# KiCad board homebrew_486.kicad_pcb
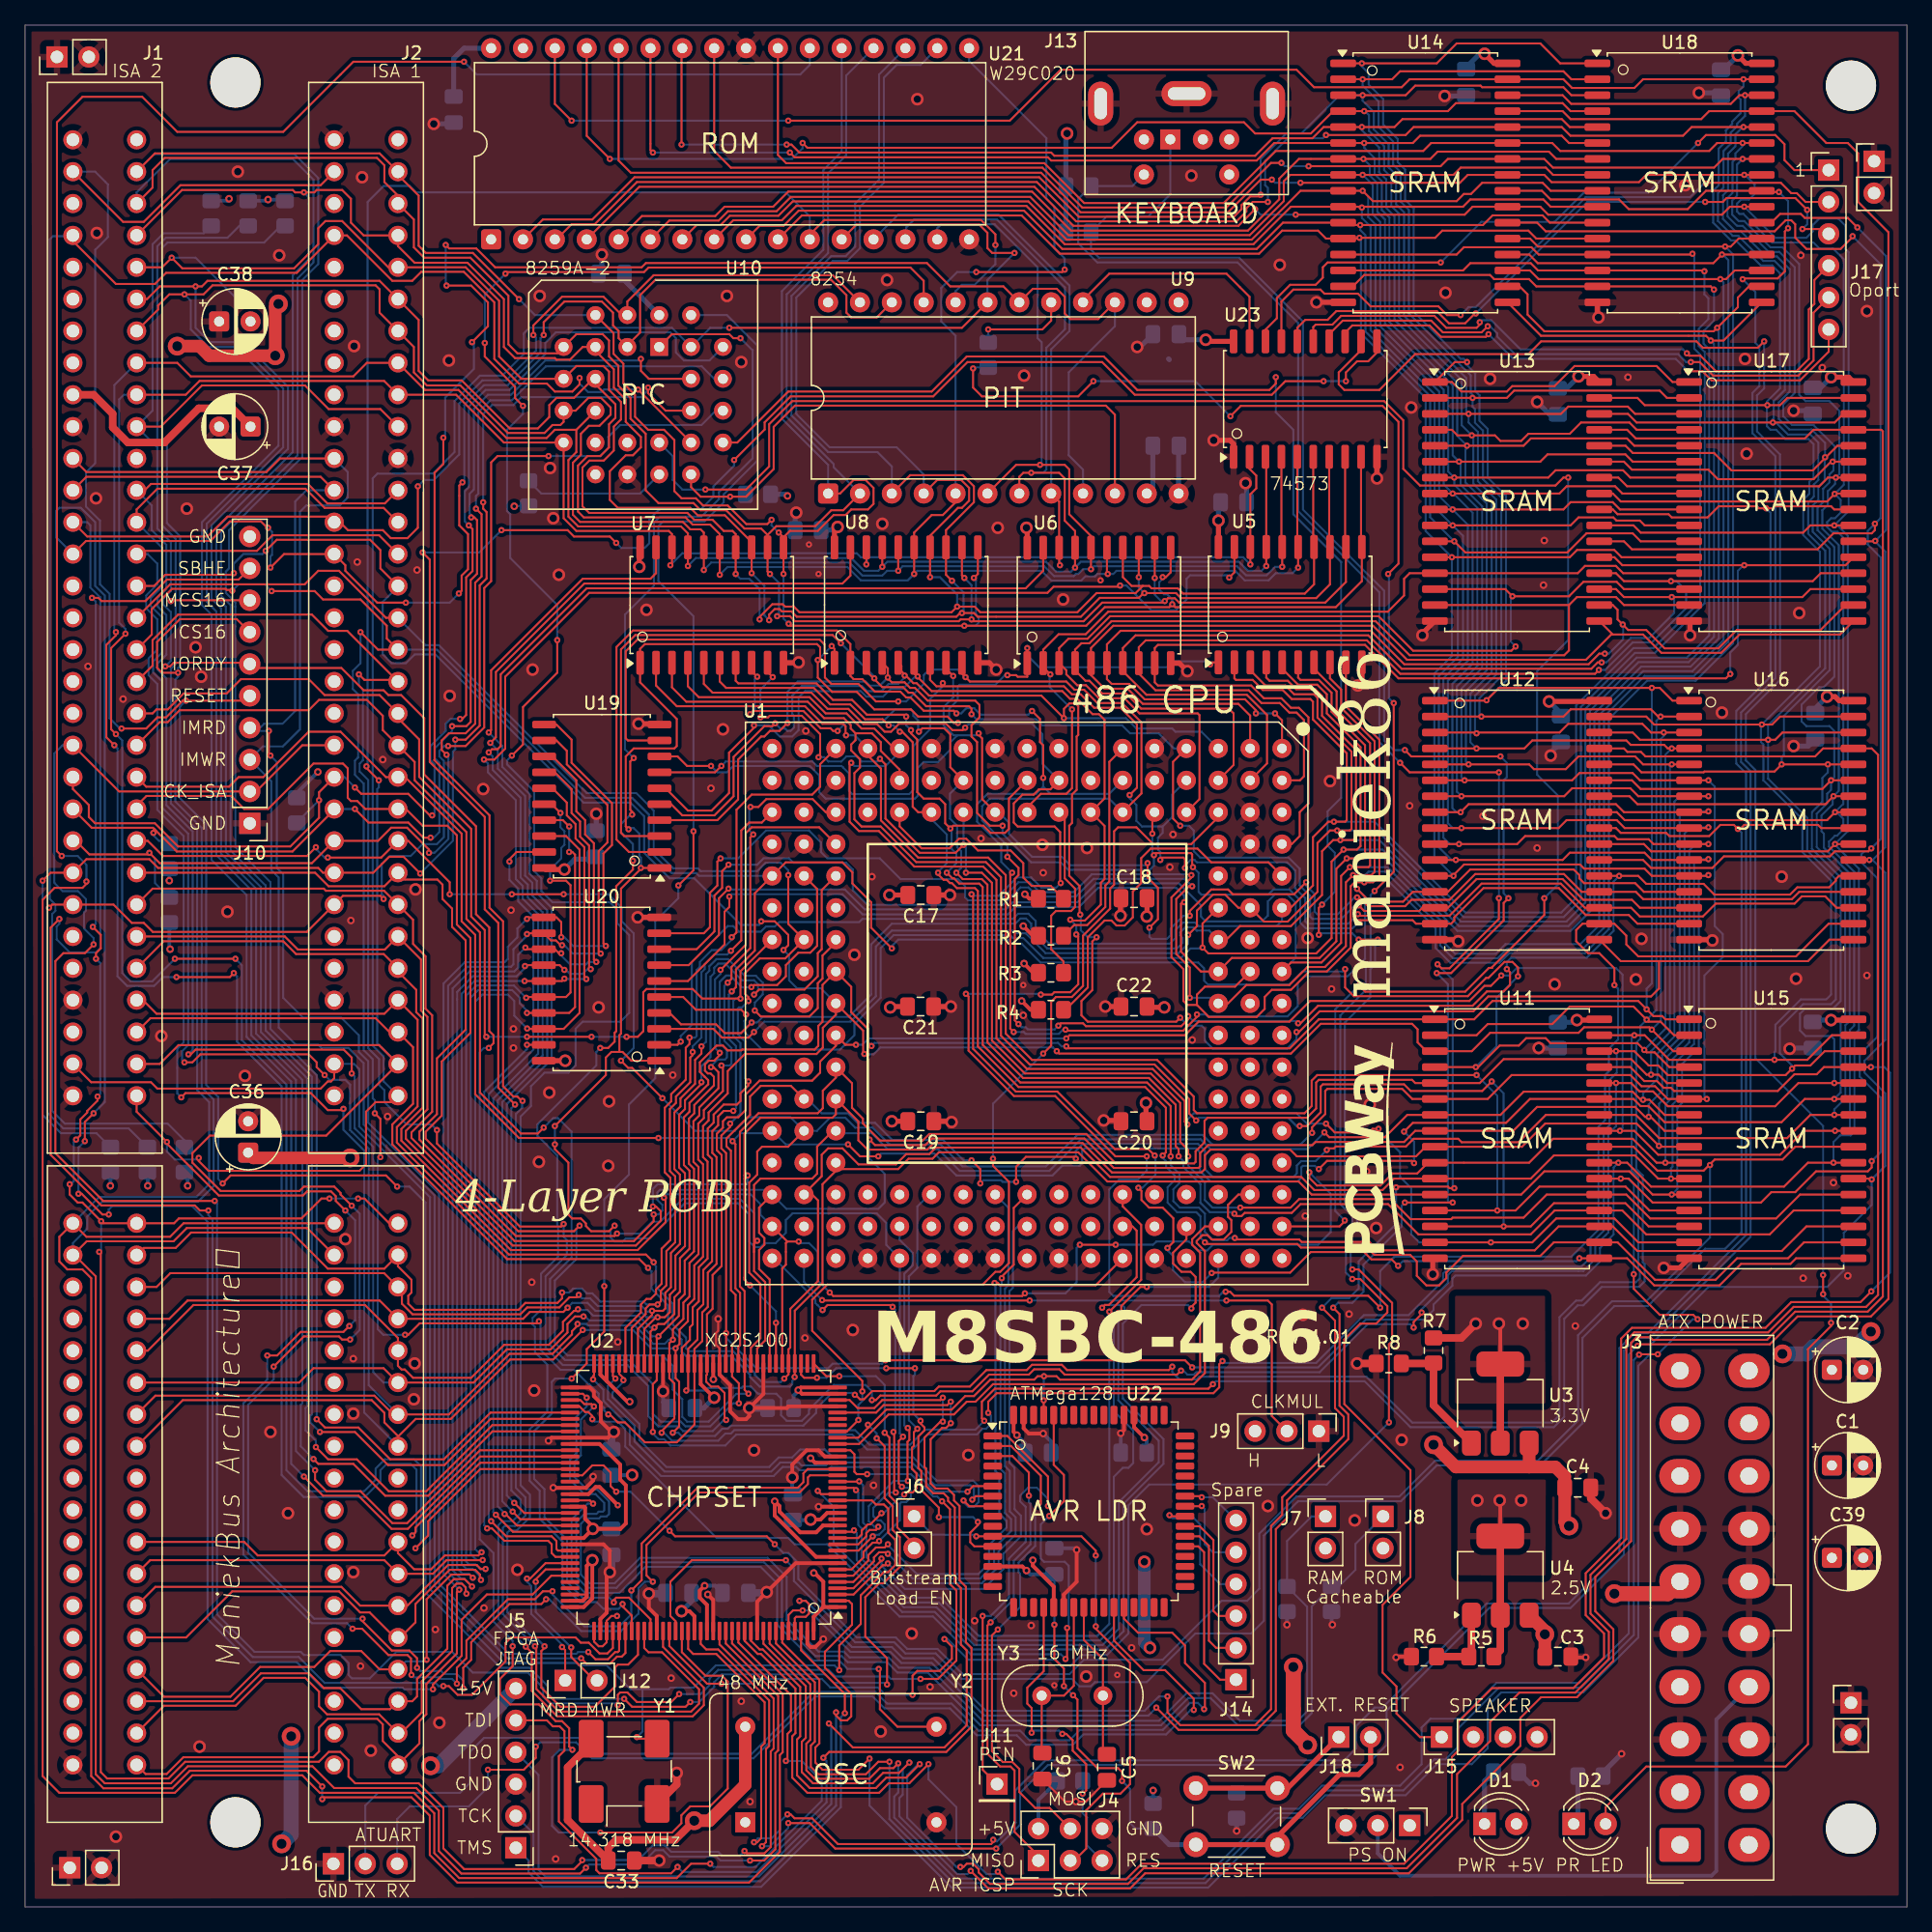
[diagram p0: board, top side]
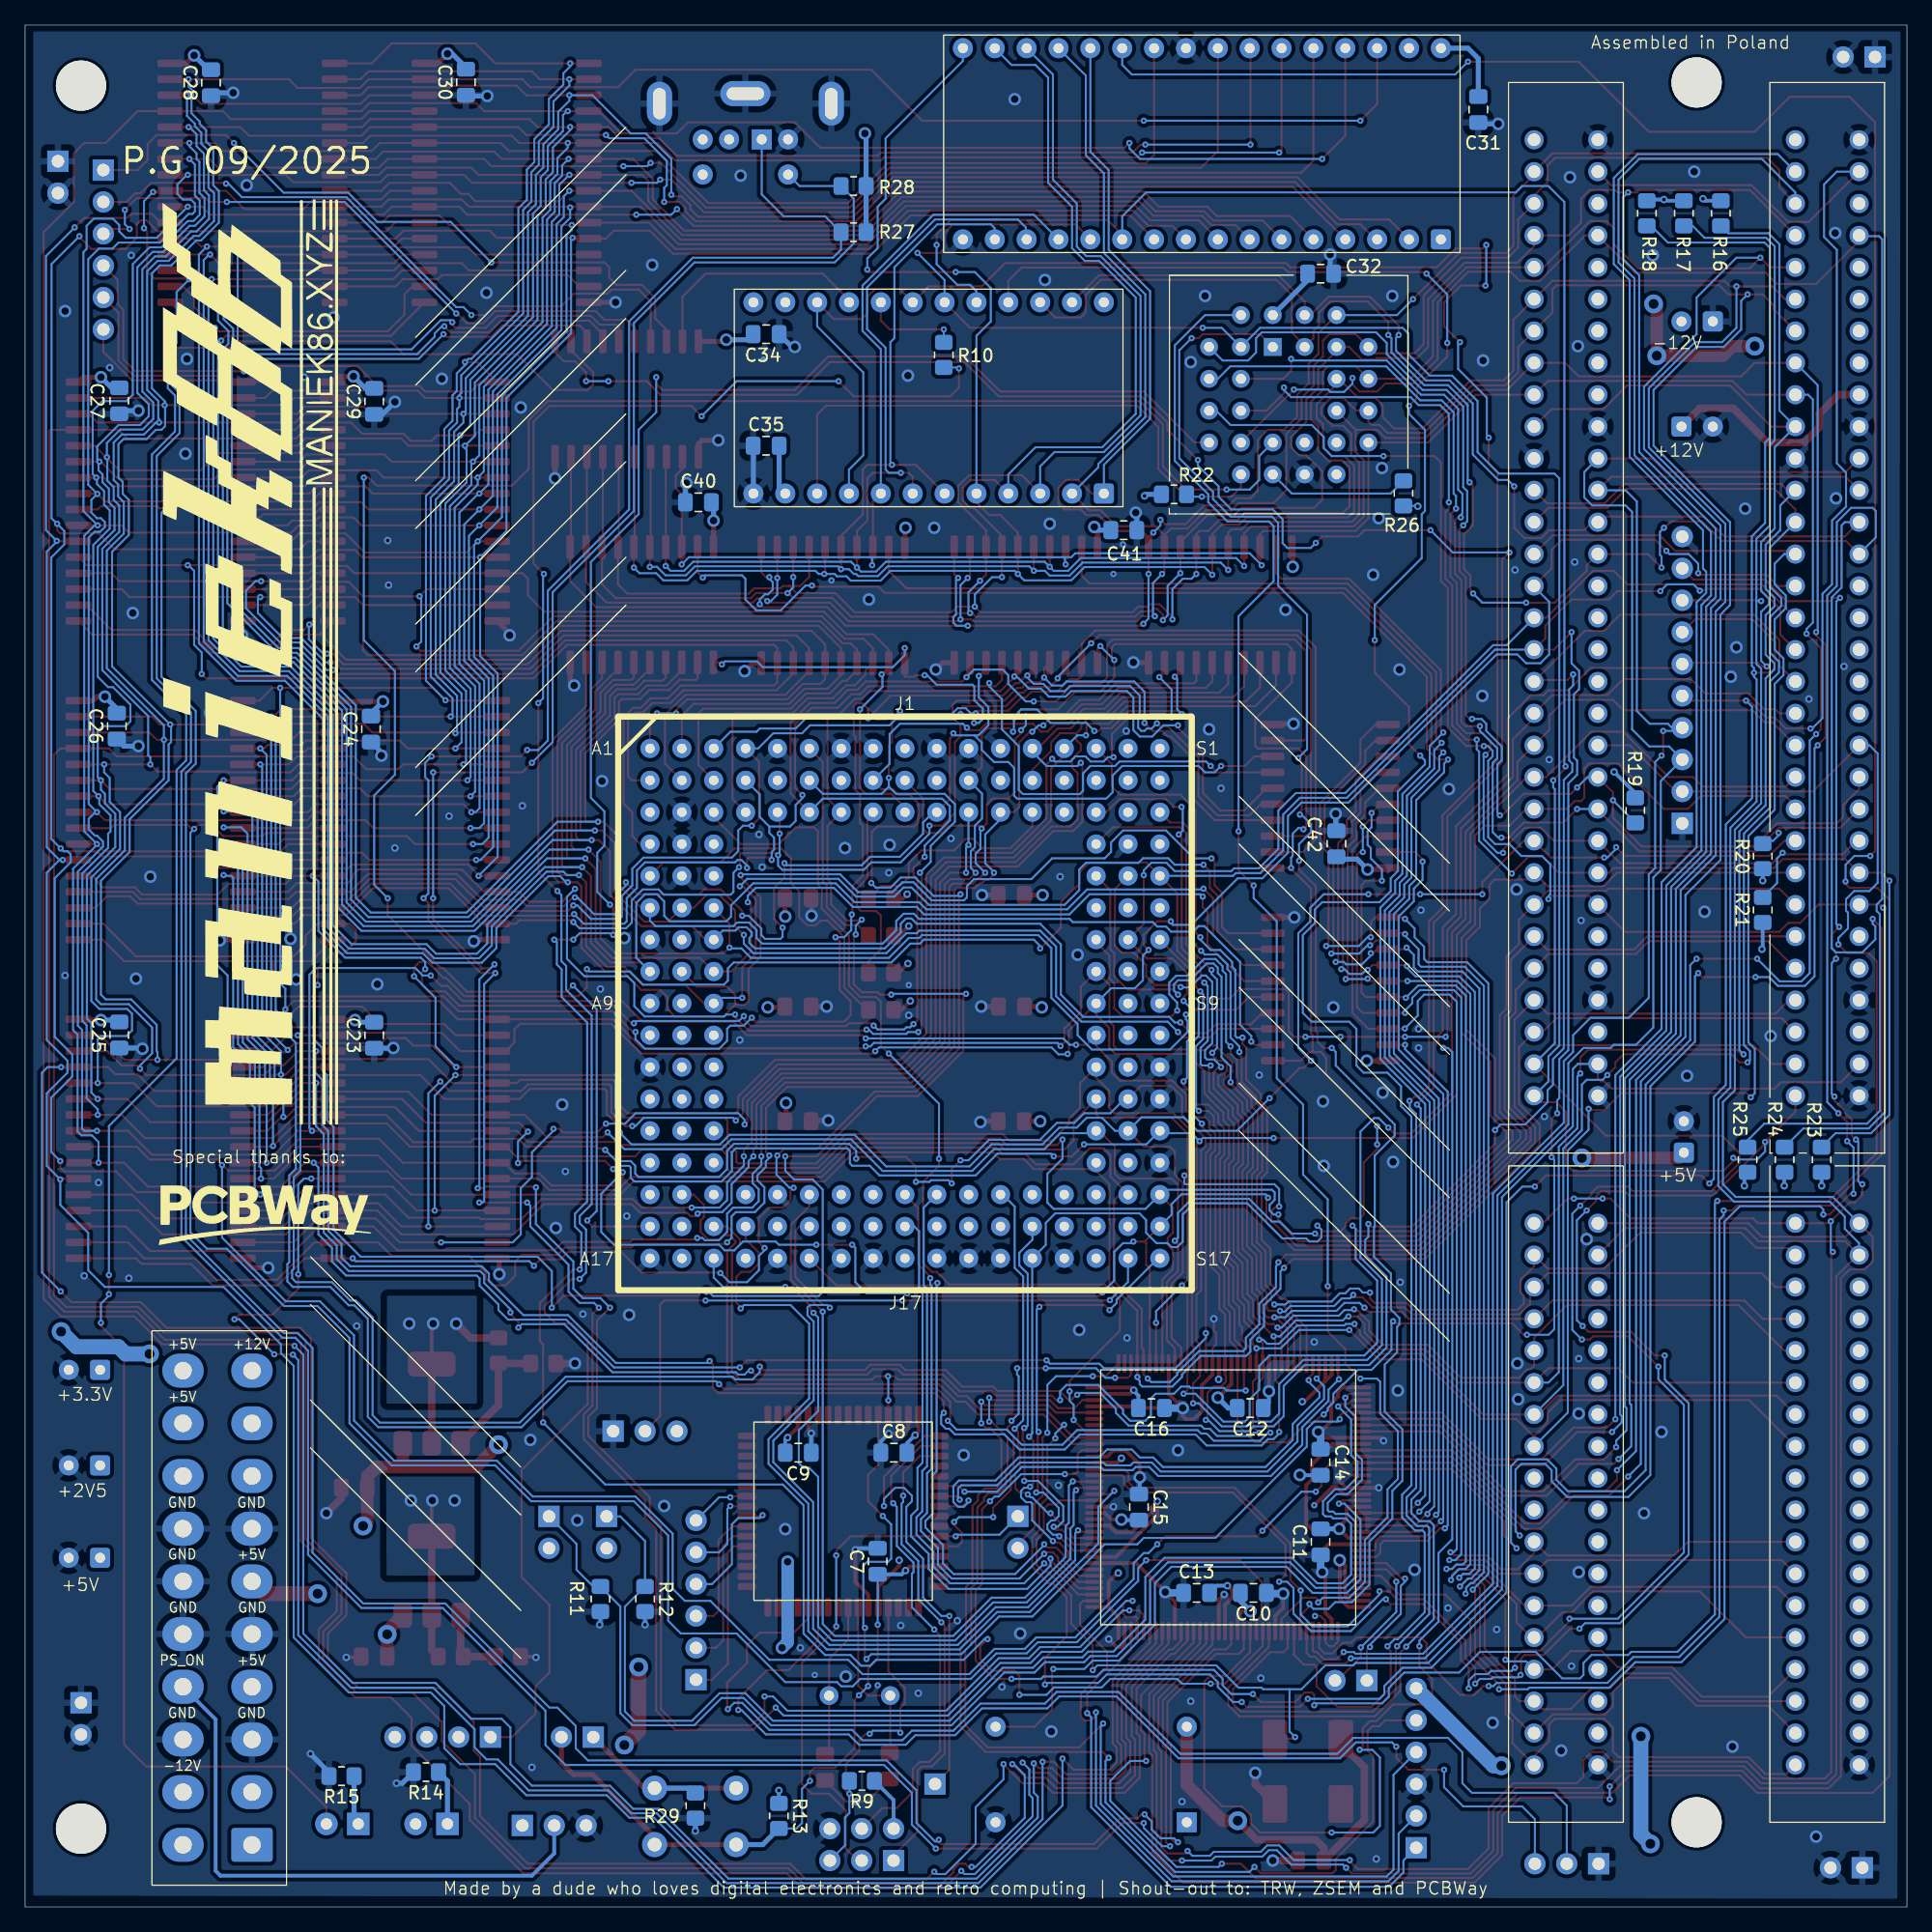
[diagram p1: board, bottom side, seen from below]

Outline 150 x 150 mm; copper layers: Top, In1.Cu, In2.Cu, Bottom. Coordinates in mm from the lower left corner of the outline.
Outline path: 0,150 0,0 150,0 150,150 0,150
Stack: Top 0.035mm / dielectric 0.1mm FR4 er 4.5 / In1.Cu 0.035mm / dielectric 1.24mm FR4 er 4.5 / In2.Cu 0.035mm / dielectric 0.1mm FR4 er 4.5 / Bottom 0.035mm

## Placement (name value [footprint] x y rotation side)
C1  22u  [CP_Radial_D5.0mm_P2.50mm]  144.02 35.19 0 top
C2  22u  [CP_Radial_D5.0mm_P2.50mm]  144.02 42.81 0 top
C3  0.1u  [C_0805_2012Metric_Pad1.18x1.45mm_HandSolder]  122.17 19.95 0 top
C4  0.1u  [C_0805_2012Metric_Pad1.18x1.45mm_HandSolder]  123.76 33.41 0 top
C5  22p  [C_0805_2012Metric_Pad1.18x1.45mm_HandSolder]  86.23 11.13 90 top
C6  22p  [C_0805_2012Metric_Pad1.18x1.45mm_HandSolder]  81.09 11.23 90 top
C7  0.1u  [C_0805_2012Metric_Pad1.18x1.45mm_HandSolder]  82.04 27.55 90 bottom
C8  0.1u  [C_0805_2012Metric_Pad1.18x1.45mm_HandSolder]  80.75 36.21 180 bottom
C9  0.1u  [C_0805_2012Metric_Pad1.18x1.45mm_HandSolder]  88.37 36.21 0 bottom
C10  0.1u  [C_0805_2012Metric_Pad1.18x1.45mm_HandSolder]  52.09 25.03 0 bottom
C11  0.1u  [C_0805_2012Metric_Pad1.18x1.45mm_HandSolder]  46.74 29.1 90 bottom
C12  0.1u  [C_0805_2012Metric_Pad1.18x1.45mm_HandSolder]  52.35 39.76 0 bottom
C13  0.1u  [C_0805_2012Metric_Pad1.18x1.45mm_HandSolder]  56.62 25.03 180 bottom
C14  0.1u  [C_0805_2012Metric_Pad1.18x1.45mm_HandSolder]  46.74 35.45 270 bottom
C15  0.1u  [C_0805_2012Metric_Pad1.18x1.45mm_HandSolder]  61.21 31.87 270 bottom
C16  0.1u  [C_0805_2012Metric_Pad1.18x1.45mm_HandSolder]  60.22 39.76 0 bottom
C17  0.1u  [C_0805_2012Metric_Pad1.18x1.45mm_HandSolder]  71.4 80.66 180 top
C18  0.1u  [C_0805_2012Metric_Pad1.18x1.45mm_HandSolder]  88.39 80.4 0 top
C19  0.1u  [C_0805_2012Metric_Pad1.18x1.45mm_HandSolder]  71.4 62.62 180 top
C20  0.1u  [C_0805_2012Metric_Pad1.18x1.45mm_HandSolder]  88.39 62.62 0 top
C21  0.1u  [C_0805_2012Metric_Pad1.18x1.45mm_HandSolder]  71.37 71.77 180 top
C22  0.1u  [C_0805_2012Metric_Pad1.18x1.45mm_HandSolder]  88.39 71.77 0 top
C23  0.1u  [C_0805_2012Metric_Pad1.18x1.45mm_HandSolder]  122.17 69.48 90 bottom
C24  0.1u  [C_0805_2012Metric_Pad1.18x1.45mm_HandSolder]  122.43 93.89 90 bottom
C25  0.1u  [C_0805_2012Metric_Pad1.18x1.45mm_HandSolder]  142.49 69.5 90 bottom
C26  0.1u  [C_0805_2012Metric_Pad1.18x1.45mm_HandSolder]  142.69 94.12 90 bottom
C27  0.1u  [C_0805_2012Metric_Pad1.18x1.45mm_HandSolder]  142.49 120.05 90 bottom
C28  0.1u  [C_0805_2012Metric_Pad1.18x1.45mm_HandSolder]  135.18 145.41 90 bottom
C29  0.1u  [C_0805_2012Metric_Pad1.18x1.45mm_HandSolder]  122.17 120.01 90 bottom
C30  0.1u  [C_0805_2012Metric_Pad1.18x1.45mm_HandSolder]  114.86 145.45 90 bottom
C31  0.1u  [C_0805_2012Metric_Pad1.18x1.45mm_HandSolder]  34.16 143.27 90 bottom
C32  0.1u  [C_0805_2012Metric_Pad1.18x1.45mm_HandSolder]  46.74 130.19 0 bottom
C33  0.1u  [C_0805_2012Metric_Pad1.18x1.45mm_HandSolder]  47.52 3.7 180 top
C34  0.1u  [C_0805_2012Metric_Pad1.18x1.45mm_HandSolder]  90.93 125.36 0 bottom
C35  0.1u  [C_0805_2012Metric_Pad1.18x1.45mm_HandSolder]  90.93 116.47 180 bottom
C36  10u  [CP_Radial_D5.0mm_P2.50mm]  17.78 60.12 90 top
C37  10u  [CP_Radial_D5.0mm_P2.50mm]  17.97 118 180 top
C38  10u  [CP_Radial_D5.0mm_P2.50mm]  15.47 126.38 0 top
C39  10u  [CP_Radial_D5.0mm_P2.50mm]  144.02 27.83 0 top
C40  0.1u  [C_0805_2012Metric_Pad1.18x1.45mm_HandSolder]  96.33 111.96 180 bottom
C41  0.1u  [C_0805_2012Metric_Pad1.18x1.45mm_HandSolder]  62.42 109.74 0 bottom
C42  0.1u  [C_0805_2012Metric_Pad1.18x1.45mm_HandSolder]  45.47 84.74 270 bottom
D1  PWR_LED  [LED_D4.0mm]  116.33 6.62 0 top
D2  D7_LED  [LED_D4.0mm]  123.44 6.62 0 top
G***  -  [pcbway]  107.33 60.24 90 top
G***#2  -  [pcbway]  131.1 55.37 180 bottom
G***#3  LOGO  [m86_logo]  131.83 99.14 90 bottom
H1  MountingHole  [MountingHole_4mm]  16.76 145.43 0 top
H2  MountingHole  [MountingHole_4mm]  16.76 6.74 0 top
H3  MountingHole  [MountingHole_4mm]  145.54 145.17 0 top
H4  MountingHole  [MountingHole_4mm]  145.54 6.24 0 top
J1  Bus_ISA_16bit  [ISA16]  3.81 140.86 270 top
J2  Bus_ISA_16bit  [ISA16]  24.64 140.86 270 top
J3  ATX-20  [Molex_Mini-Fit_Jr_5566-20A_2x10_P4.20mm_Vertical]  131.91 4.95 90 top
J4  AVR ISP  [PinHeader_2x03_P2.54mm_Vertical]  80.77 3.7 90 top
J5  FPGA JTAG  [PinHeader_1x06_P2.54mm_Vertical]  39.12 4.71 180 top
J6  Enable load  [PinHeader_1x02_P2.54mm_Vertical]  70.87 31.13 0 top
J7  RAM cacheable  [PinHeader_1x02_P2.54mm_Vertical]  103.65 31.13 0 top
J8  ROM cacheable  [PinHeader_1x02_P2.54mm_Vertical]  108.24 31.13 0 top
J9  CLKMUL SET  [PinHeader_1x03_P2.54mm_Vertical]  103.12 37.92 270 top
J10  ISA_DEBUG  [PinHeader_1x10_P2.54mm_Vertical]  17.91 86.37 180 top
J11  PEN  [PinHeader_1x01_P2.54mm_Vertical]  77.47 9.79 0 top
J12  MEM_WR_RD_J  [PinHeader_1x02_P2.54mm_Vertical]  43.05 18.05 90 top
J13  KB  [Connector_Mini-DIN_Female_6Pin_2rows]  91.28 140.89 180 top
J14  ATMegaSpare  [PinHeader_1x06_P2.54mm_Vertical]  96.52 18.11 180 top
J15  PC SPK  [PinHeader_1x04_P2.54mm_Vertical]  112.9 13.54 90 top
J16  ATUART  [PinHeader_1x03_P2.54mm_Vertical]  24.57 3.44 90 top
J17  IOout  [PinHeader_1x06_P2.54mm_Vertical]  143.76 138.44 0 top
J18  Reset ext  [PinHeader_1x02_P2.54mm_Vertical]  104.71 13.54 90 top
J19  Conn_01x02_Pin  [PinHeader_1x02_P2.54mm_Vertical]  2.54 147.46 90 top
J20  Conn_01x02_Pin  [PinHeader_1x02_P2.54mm_Vertical]  147.38 139.15 0 top
J21  Conn_01x02_Pin  [PinHeader_1x02_P2.54mm_Vertical]  145.54 16.27 0 top
J22  Conn_01x02_Pin  [PinHeader_1x02_P2.54mm_Vertical]  3.56 3.12 90 top
R1  4.7K  [R_0805_2012Metric_Pad1.20x1.40mm_HandSolder]  81.77 80.36 0 top
R2  4.7K  [R_0805_2012Metric_Pad1.20x1.40mm_HandSolder]  81.77 77.41 0 top
R3  4.7K  [R_0805_2012Metric_Pad1.20x1.40mm_HandSolder]  81.77 74.46 0 top
R4  4.7K  [R_0805_2012Metric_Pad1.20x1.40mm_HandSolder]  81.77 71.51 0 top
R5  120  [R_0805_2012Metric_Pad1.20x1.40mm_HandSolder]  116.08 19.95 180 top
R6  120  [R_0805_2012Metric_Pad1.20x1.40mm_HandSolder]  111.51 19.95 0 top
R7  120  [R_0805_2012Metric_Pad1.20x1.40mm_HandSolder]  112.27 44.35 270 top
R8  200  [R_0805_2012Metric_Pad1.20x1.40mm_HandSolder]  108.7 43.32 0 top
R9  10K  [R_0805_2012Metric_Pad1.20x1.40mm_HandSolder]  83.3 10.05 0 bottom
R10  33  [R_0805_2012Metric_Pad1.20x1.40mm_HandSolder]  76.77 123.71 270 bottom
R11  10K  [R_0805_2012Metric_Pad1.20x1.40mm_HandSolder]  104.14 24.54 270 bottom
R12  10K  [R_0805_2012Metric_Pad1.20x1.40mm_HandSolder]  100.58 24.54 270 bottom
R13  10K  [R_0805_2012Metric_Pad1.20x1.40mm_HandSolder]  89.92 7.25 270 bottom
R14  1K  [R_0805_2012Metric_Pad1.20x1.40mm_HandSolder]  118.05 10.74 0 bottom
R15  1K  [R_0805_2012Metric_Pad1.20x1.40mm_HandSolder]  124.78 10.43 0 bottom
R16  1K  [R_0805_2012Metric_Pad1.20x1.40mm_HandSolder]  14.83 135 270 bottom
R17  300  [R_0805_2012Metric_Pad1.20x1.40mm_HandSolder]  17.78 135 270 bottom
R18  300  [R_0805_2012Metric_Pad1.20x1.40mm_HandSolder]  20.73 135 270 bottom
R19  1K  [R_0805_2012Metric_Pad1.20x1.40mm_HandSolder]  21.65 87.41 270 bottom
R20  1K  [R_0805_2012Metric_Pad1.20x1.40mm_HandSolder]  11.49 83.75 90 bottom
R21  1K  [R_0805_2012Metric_Pad1.20x1.40mm_HandSolder]  11.49 79.47 90 bottom
R22  1K  [R_0805_2012Metric_Pad1.20x1.40mm_HandSolder]  58.42 112.6 0 bottom
R23  1K  [R_0805_2012Metric_Pad1.20x1.40mm_HandSolder]  6.8 59.56 270 bottom
R24  1K  [R_0805_2012Metric_Pad1.20x1.40mm_HandSolder]  9.75 59.56 270 bottom
R25  1K  [R_0805_2012Metric_Pad1.20x1.40mm_HandSolder]  12.7 59.56 270 bottom
R26  100  [R_0805_2012Metric_Pad1.20x1.40mm_HandSolder]  40.13 112.68 270 bottom
R27  10K  [R_0805_2012Metric_Pad1.20x1.40mm_HandSolder]  83.96 133.49 180 bottom
R28  10K  [R_0805_2012Metric_Pad1.20x1.40mm_HandSolder]  83.96 137.17 0 bottom
R29  10  [R_0805_2012Metric_Pad1.20x1.40mm_HandSolder]  96.57 8.08 270 bottom
SW1  SW_SPDT  [PinHeader_1x03_P2.54mm_Vertical]  110.36 6.49 270 top
SW2  Reset btn  [SW_PUSH_6mm]  93.32 9.47 0 top
U1  -  [486Socket]  57.01 94.88 0 top
U2  XC2S100TQ144  [TQFP-144_20x20mm_P0.5mm]  54.1 32.65 180 top
U3  AMS1117  [SOT-223-3_TabPin2]  117.59 40.12 90 top
U4  AMS1117  [SOT-223-3_TabPin2]  117.59 26.4 90 top
U5  74LS245  [SOP-20_7.5x12.8mm_P1.27mm]  100.84 103.8 90 top
U6  74LS245  [SOP-20_7.5x12.8mm_P1.27mm]  85.6 103.74 90 top
U7  74LS245  [SOP-20_7.5x12.8mm_P1.27mm]  54.74 103.77 90 top
U8  74LS245  [SOP-20_7.5x12.8mm_P1.27mm]  70.23 103.77 90 top
U9  8254  [DIP-24_W15.24mm]  64.01 112.66 90 top
U10  8259A-2  [PLCC-28_THT-Socket]  50.55 124.35 0 top
U11  HM628512  [SOP-32_11.305x20.495mm_P1.27mm]  118.93 61.23 0 top
U12  HM628512  [SOP-32_11.305x20.495mm_P1.27mm]  118.93 86.63 0 top
U13  HM628512  [SOP-32_11.305x20.495mm_P1.27mm]  118.93 112.03 0 top
U14  HM628512  [SOP-32_11.305x20.495mm_P1.27mm]  111.61 137.43 0 top
U15  HM628512  [SOP-32_11.305x20.495mm_P1.27mm]  139.19 61.23 0 top
U16  HM628512  [SOP-32_11.305x20.495mm_P1.27mm]  139.19 86.63 0 top
U17  HM628512  [SOP-32_11.305x20.495mm_P1.27mm]  139.19 112.03 0 top
U18  HM628512  [SOP-32_11.305x20.495mm_P1.27mm]  131.88 137.43 0 top
U19  74LS245  [SOP-20_7.5x12.8mm_P1.27mm]  45.97 88.53 180 top
U20  74LS245  [SOP-20_7.5x12.8mm_P1.27mm]  45.95 73.17 180 top
U21  W29C020  [DIP-32_W15.24mm]  37.15 132.92 90 top
U22  ATmega128L-8A  [TQFP-64_14x14mm_P0.8mm]  84.79 31.54 0 top
U23  74LS573  [SOP-20_7.5x12.8mm_P1.27mm]  102.04 120.19 90 top
Y1  TXC-7C  [Oscillator_SMD_SeikoEpson_SG8002CA-4Pin_7.0x5.0mm_HandSoldering]  47.75 10.81 0 top
Y2  GTXO-14T  [Oscillator_DIP-14]  57.4 6.74 0 top
Y3  16MHz  [Crystal_HC49-4H_Vertical]  85.92 16.84 180 top

## Library data of the parts
C1 C2 C36-C39 = -: Description: Polarized capacitor; ki_fp_filters: CP_*
C3-C35 C40-C42 = -: Description: Unpolarized capacitor; ki_fp_filters: C_*
D1 D2 = -: Description: Light emitting diode; Sim.Pins: 1=K 2=A; ki_fp_filters: LED* LED_SMD:* LED_THT:*
H1-H4 = -: Description: Mounting Hole without connection; ki_fp_filters: MountingHole*
J1 J2 = -: Datasheet: https://en.wikipedia.org/wiki/Industry_Standard_Architecture; Description: 16-bit ISA-AT bus connector
J3 = -: Datasheet: https://web.aub.edu.lb/pub/docs/atx_201.pdf#page=20; Description: ATX Power supply 20pins; ki_fp_filters: *Mini?Fit*2x10*Vertical* *Mini?Fit*2x10*Horizontal*
J4 = -: Description: Generic connector, double row, 02x03, odd/even pin numbering scheme (row 1 odd numbers, row 2 even numbers), script generated (kicad-library-utils/schlib/autogen/connector/); ki_fp_filters: Connector*:*_2x??_*
J5 J14 J17 = -: Description: Generic connector, single row, 01x06, script generated; ki_fp_filters: Connector*:*_1x??_*
J6-J8 J12 J18-J22 = -: Description: Generic connector, single row, 01x02, script generated; ki_fp_filters: Connector*:*_1x??_*
J9 J16 = -: Description: Generic connector, single row, 01x03, script generated; ki_fp_filters: Connector*:*_1x??_*
J10 = -: Description: Generic connector, single row, 01x10, script generated; ki_fp_filters: Connector*:*_1x??_*
J11 = -: Description: Generic connector, single row, 01x01, script generated; ki_fp_filters: Connector*:*_1x??_*
J13 = -: Datasheet: http://service.powerdynamics.com/ec/Catalog17/Section%2011.pdf; Description: 6-pin Mini-DIN connector; ki_fp_filters: MINI?DIN*
J15 = -: Description: Generic connector, single row, 01x04, script generated; ki_fp_filters: Connector*:*_1x??_*
R1-R29 = -: Description: Resistor; ki_fp_filters: R_*
SW1 = -: Description: Switch, single pole double throw
SW2 = -: Description: Push button switch, generic, two pins
U2 = -: Datasheet: xilinx/spartan2e/spartan2e.pdf; Description: spartan 2
U3 U4 = -: Datasheet: http://www.advanced-monolithic.com/pdf/ds1117.pdf; Description: 1A Low Dropout regulator, positive, adjustable output, SOT-223; ki_fp_filters: SOT?223*TabPin2*
U5-U8 U19 U20 = -: Datasheet: http://www.ti.com/lit/gpn/sn74LS245; Description: Octal BUS Transceivers, 3-State outputs; ki_fp_filters: DIP?20*
U9 = -: Datasheet: http://www.scs.stanford.edu/10wi-cs140/pintos/specs/8254.pdf; Description: Programmable Interval Timer, PDIP-24; ki_fp_filters: DIP*W15.24mm*
U10 = -: Datasheet: http://pdos.csail.mit.edu/6.828/2005/readings/hardware/8259A.pdf; Description: 8259, Programmable Interrupt Controller, PDIP-28; ki_fp_filters: DIP*W15.24mm*
U11-U18 = -: Datasheet: http://matthieu.benoit.free.fr/cross/data_sheets/HM628512.pdf; Description: 524288-word × 8-bit High Speed CMOS Static RAM
U22 = -: Datasheet: http://ww1.microchip.com/downloads/en/DeviceDoc/doc2467.pdf; Description: 8MHz, 128kB Flash, 4kB SRAM, 4kB EEPROM, JTAG, TQFP-64; ki_fp_filters: TQFP*14x14mm*P0.8mm*
U23 = -: Datasheet: 74xx/74hc573.pdf; Description: 8-bit Latch 3-state outputs; ki_fp_filters: DIP?20*
Y1 = -: Datasheet: http://www.txccorp.com/download/products/osc/7C_o.pdf; Description: CMOS SMD Crystal Clock Oscillator, TXC; ki_fp_filters: Oscillator*SMD*TXC*7C*5.0x3.2mm*
Y2 = -: Datasheet: http://www.golledge.com/pdf/products/tcxos/gtxo14.pdf; Description: Crystal Clock Oscillator, DIP14-style metal package; ki_fp_filters: Oscillator*DIP*14*
Y3 = -: Description: Two pin crystal; ki_fp_filters: Crystal*

## Footprints (pads in the part's own frame, mm; a bottom-side part is the same pattern mirrored in y, then rotated)
486Socket
  round 1.524 hole 0.762: A1(43.18,-2.54) A2(43.18,-5.08) A3(43.18,-7.62) A4(43.18,-10.16) A5(43.18,-12.7) A6(43.18,-15.24) A7(43.18,-17.78) A8(43.18,-20.32) A9(43.18,-22.86) A10(43.18,-25.4) A11(43.18,-27.94) A12(43.18,-30.48) A13(43.18,-33.02) A14(43.18,-35.56) A15(43.18,-38.1) A16(43.18,-40.64) A17(43.18,-43.18) B1(40.64,-2.54) B2(40.64,-5.08) B3(40.64,-7.62) B4(40.64,-10.16) B5(40.64,-12.7) B6(40.64,-15.24) B7(40.64,-17.78) B8(40.64,-20.32) B9(40.64,-22.86) B10(40.64,-25.4) B11(40.64,-27.94) B12(40.64,-30.48) B13(40.64,-33.02) B14(40.64,-35.56) B15(40.64,-38.1) B16(40.64,-40.64) B17(40.64,-43.18) C1(38.1,-2.54) C2(38.1,-5.08) C3(38.1,-7.62) C4(38.1,-10.16) C5(38.1,-12.7) C6(38.1,-15.24) C7(38.1,-17.78) C8(38.1,-20.32) C9(38.1,-22.86) C10(38.1,-25.4) C11(38.1,-27.94) C12(38.1,-30.48) C13(38.1,-33.02) C14(38.1,-35.56) C15(38.1,-38.1) C16(38.1,-40.64) C17(38.1,-43.18) D1(35.56,-2.54) D2(35.56,-5.08) D3(35.56,-7.62) D15(35.56,-38.1) D16(35.56,-40.64) D17(35.56,-43.18) E1(33.02,-2.54) E2(33.02,-5.08) E3(33.02,-7.62) E15(33.02,-38.1) E16(33.02,-40.64) E17(33.02,-43.18) F1(30.48,-2.54) F2(30.48,-5.08) F3(30.48,-7.62) F15(30.48,-38.1) F16(30.48,-40.64) F17(30.48,-43.18) G1(27.94,-2.54) G2(27.94,-5.08) G3(27.94,-7.62) G15(27.94,-38.1) G16(27.94,-40.64) G17(27.94,-43.18) H1(25.4,-2.54) H2(25.4,-5.08) H3(25.4,-7.62) H15(25.4,-38.1) H16(25.4,-40.64) H17(25.4,-43.18) J1(22.86,-2.54) J2(22.86,-5.08) J3(22.86,-7.62) J15(22.86,-38.1) J16(22.86,-40.64) J17(22.86,-43.18) K1(20.32,-2.54) K2(20.32,-5.08) K3(20.32,-7.62) K15(20.32,-38.1) K16(20.32,-40.64) K17(20.32,-43.18) L1(17.78,-2.54) L2(17.78,-5.08) L3(17.78,-7.62) L15(17.78,-38.1) L16(17.78,-40.64) L17(17.78,-43.18) M1(15.24,-2.54) M2(15.24,-5.08) M3(15.24,-7.62) M15(15.24,-38.1) M16(15.24,-40.64) M17(15.24,-43.18) N1(12.7,-2.54) N2(12.7,-5.08) N3(12.7,-7.62) N15(12.7,-38.1) N16(12.7,-40.64) N17(12.7,-43.18) P1(10.16,-2.54) P2(10.16,-5.08) P3(10.16,-7.62) P15(10.16,-38.1) P16(10.16,-40.64) P17(10.16,-43.18) Q1(7.62,-2.54) Q2(7.62,-5.08) Q3(7.62,-7.62) Q4(7.62,-10.16) Q5(7.62,-12.7) Q6(7.62,-15.24) Q7(7.62,-17.78) Q8(7.62,-20.32) Q9(7.62,-22.86) Q10(7.62,-25.4) Q11(7.62,-27.94) Q12(7.62,-30.48) Q13(7.62,-33.02) Q14(7.62,-35.56) Q15(7.62,-38.1) Q16(7.62,-40.64) Q17(7.62,-43.18) R1(5.08,-2.54) R2(5.08,-5.08) R3(5.08,-7.62) R4(5.08,-10.16) R5(5.08,-12.7) R6(5.08,-15.24) R7(5.08,-17.78) R8(5.08,-20.32) R9(5.08,-22.86) R10(5.08,-25.4) R11(5.08,-27.94) R12(5.08,-30.48) R13(5.08,-33.02) R14(5.08,-35.56) R15(5.08,-38.1) R16(5.08,-40.64) R17(5.08,-43.18) S1(2.54,-2.54) S2(2.54,-5.08) S3(2.54,-7.62) S4(2.54,-10.16) S5(2.54,-12.7) S6(2.54,-15.24) S7(2.54,-17.78) S8(2.54,-20.32) S9(2.54,-22.86) S10(2.54,-25.4) S11(2.54,-27.94) S12(2.54,-30.48) S13(2.54,-33.02) S14(2.54,-35.56) S15(2.54,-38.1) S16(2.54,-40.64) S17(2.54,-43.18)
C_0805_2012Metric_Pad1.18x1.45mm_HandSolder
  rrect 1.175x1.45 smd: 1(-1.038,0) 2(1.038,0)
Connector_Mini-DIN_Female_6Pin_2rows
  rect 1.6x1.6 hole 0.8: 1(0,0)
  round 1.6 hole 0.8: 2(-2.6,0) 3(2.1,0) 4(-4.7,0) 5(2.1,2.8) 6(-4.7,2.8)
  oval 2x3.5 hole 1x2.5: 7(-8.15,-2.85) 7(5.55,-2.85)
  oval 4x2 hole 3x1: 7(-1.3,-3.65)
CP_Radial_D5.0mm_P2.50mm
  rrect 1.6x1.6 hole 0.8: 1(0,0)
  round 1.6 hole 0.8: 2(2.5,0)
Crystal_HC49-4H_Vertical
  round 1.5 hole 0.8: 1(0,0) 2(4.88,0)
DIP-24_W15.24mm
  rrect 1.6x1.6 hole 0.8: 1(0,0)
  round 1.6 hole 0.8: 2(0,-2.54) 3(0,-5.08) 4(0,-7.62) 5(0,-10.16) 6(0,-12.7) 7(0,-15.24) 8(0,-17.78) 9(0,-20.32) 10(0,-22.86) 11(0,-25.4) 12(0,-27.94) 13(15.24,-27.94) 14(15.24,-25.4) 15(15.24,-22.86) 16(15.24,-20.32) 17(15.24,-17.78) 18(15.24,-15.24) 19(15.24,-12.7) 20(15.24,-10.16) 21(15.24,-7.62) 22(15.24,-5.08) 23(15.24,-2.54) 24(15.24,0)
DIP-32_W15.24mm
  rrect 1.6x1.6 hole 0.8: 1(0,0)
  round 1.6 hole 0.8: 2(0,-2.54) 3(0,-5.08) 4(0,-7.62) 5(0,-10.16) 6(0,-12.7) 7(0,-15.24) 8(0,-17.78) 9(0,-20.32) 10(0,-22.86) 11(0,-25.4) 12(0,-27.94) 13(0,-30.48) 14(0,-33.02) 15(0,-35.56) 16(0,-38.1) 17(15.24,-38.1) 18(15.24,-35.56) 19(15.24,-33.02) 20(15.24,-30.48) 21(15.24,-27.94) 22(15.24,-25.4) 23(15.24,-22.86) 24(15.24,-20.32) 25(15.24,-17.78) 26(15.24,-15.24) 27(15.24,-12.7) 28(15.24,-10.16) 29(15.24,-7.62) 30(15.24,-5.08) 31(15.24,-2.54) 32(15.24,0)
ISA16
  round 1.524 hole 1.016: 1(0,0) 2(2.54,0) 3(5.08,0) 4(7.62,0) 5(10.16,0) 6(12.7,0) 7(15.24,0) 8(17.78,0) 9(20.32,0) 10(22.86,0) 11(25.4,0) 12(27.94,0) 13(30.48,0) 14(33.02,0) 15(35.56,0) 16(38.1,0) 17(40.64,0) 18(43.18,0) 19(45.72,0) 20(48.26,0) 21(50.8,0) 22(53.34,0) 23(55.88,0) 24(58.42,0) 25(60.96,0) 26(63.5,0) 27(66.04,0) 28(68.58,0) 29(71.12,0) 30(73.66,0) 31(76.2,0) 32(0,5.08) 33(2.54,5.08) 34(5.08,5.08) 35(7.62,5.08) 36(10.16,5.08) 37(12.7,5.08) 38(15.24,5.08) 39(17.78,5.08) 40(20.32,5.08) 41(22.86,5.08) 42(25.4,5.08) 43(27.94,5.08) 44(30.48,5.08) 45(33.02,5.08) 46(35.56,5.08) 47(38.1,5.08) 48(40.64,5.08) 49(43.18,5.08) 50(45.72,5.08) 51(48.26,5.08) 52(50.8,5.08) 53(53.34,5.08) 54(55.88,5.08) 55(58.42,5.08) 56(60.96,5.08) 57(63.5,5.08) 58(66.04,5.08) 59(68.58,5.08) 60(71.12,5.08) 61(73.66,5.08) 62(76.2,5.08) 63(86.36,0) 64(88.9,0) 65(91.44,0) 66(93.98,0) 67(96.52,0) 68(99.06,0) 69(101.6,0) 70(104.14,0) 71(106.68,0) 72(109.22,0) 73(111.76,0) 74(114.3,0) 75(116.84,0) 76(119.38,0) 77(121.92,0) 78(124.46,0) 79(127,0) 80(129.54,0) 81(86.36,5.08) 82(88.9,5.08) 83(91.44,5.08) 84(93.98,5.08) 85(96.52,5.08) 86(99.06,5.08) 87(101.6,5.08) 88(104.14,5.08) 89(106.68,5.08) 90(109.22,5.08) 91(111.76,5.08) 92(114.3,5.08) 93(116.84,5.08) 94(119.38,5.08) 95(121.92,5.08) 96(124.46,5.08) 97(127,5.08) 98(129.54,5.08)